# Altium PCB 主板PCB.PcbDoc
Units mil, origin at the board's own origin, x right, y up, seen from the top; angles counter-clockwise.
Board outline 3875 x 2950 mil, 2 copper layers (Top Layer, Bottom Layer); 32 components, 45 nets, 162 pads, 0 vias.
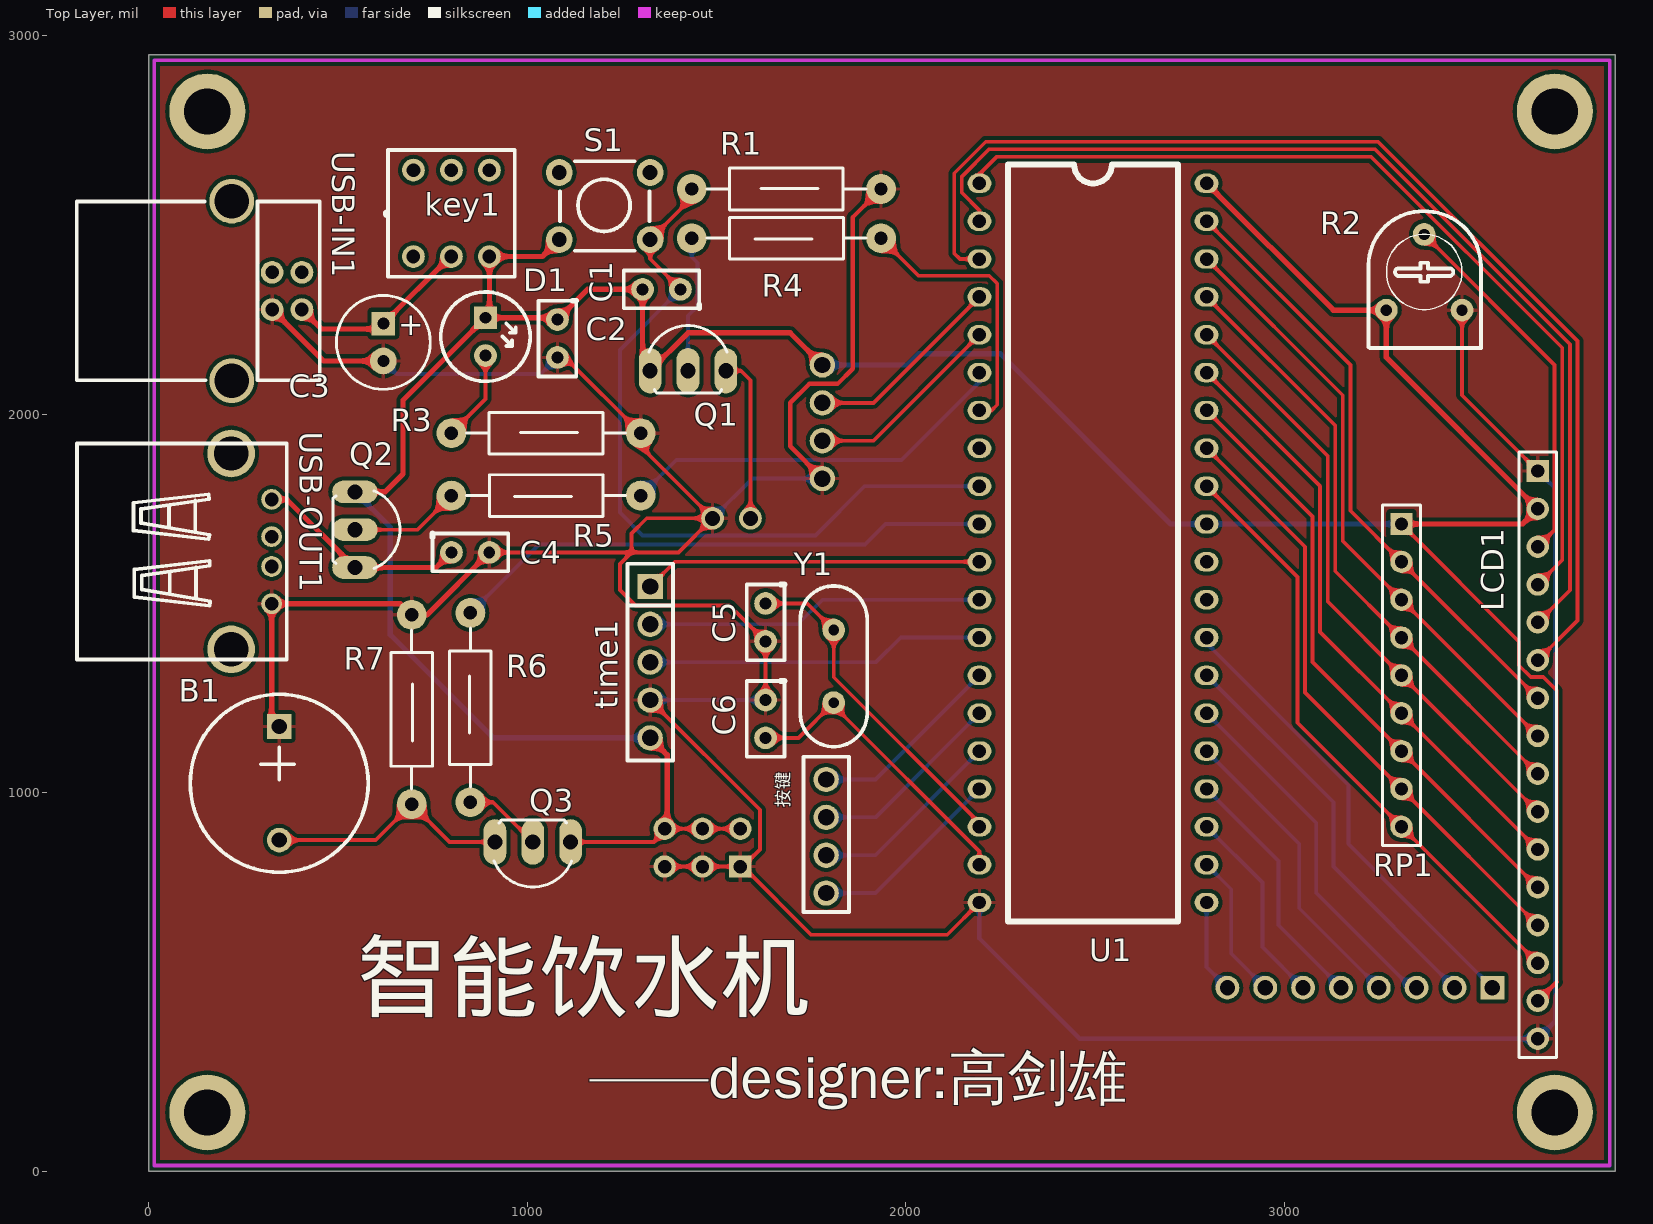
[diagram p0: Top Layer view]
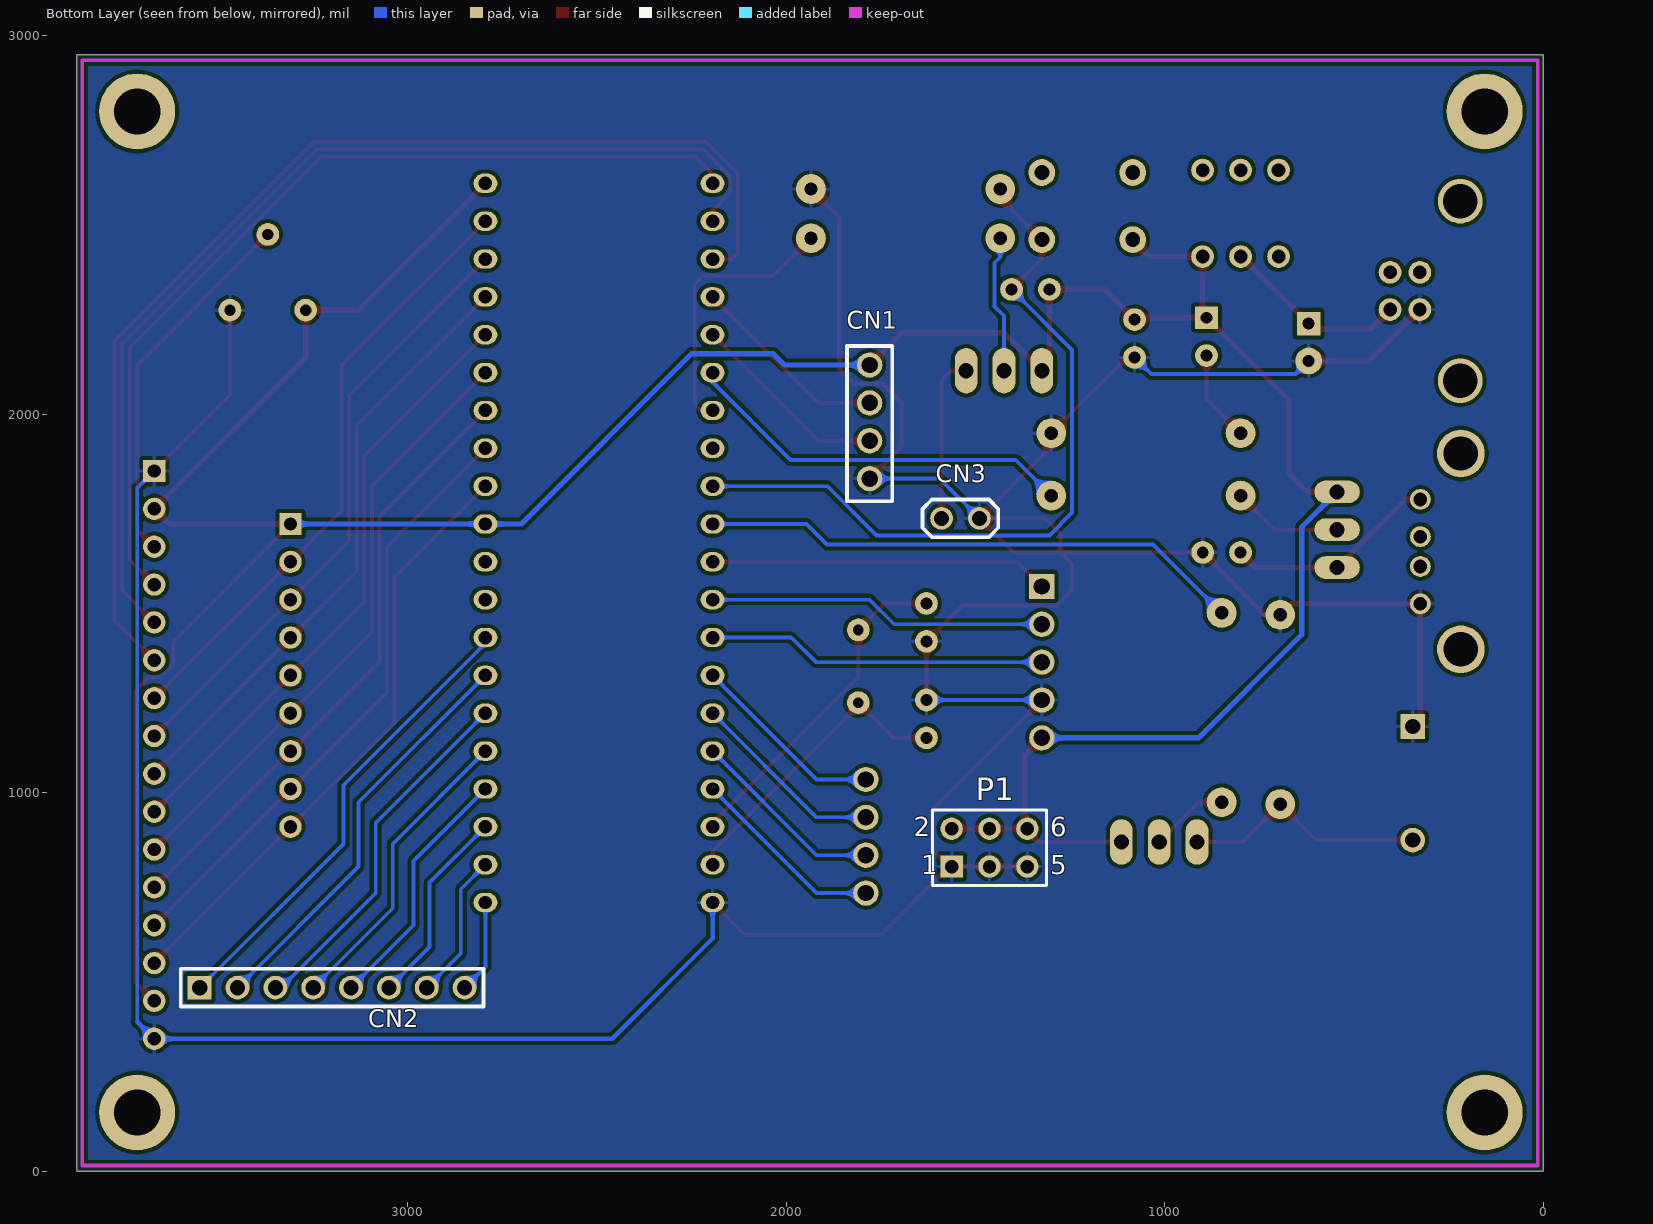
[diagram p1: Bottom Layer view, seen from below]

## Layer stack, top to bottom
Top Solder: solder mask 0.4, Solder Resist, Dk 3.5
Top Layer: signal copper 1.4
Dielectric 1: dielectric 12.6, FR-4, Dk 4.8
Bottom Layer: signal copper 1.4
Bottom Solder: solder mask 0.4, Solder Resist, Dk 3.5

## Board outline
0,0 3875,0 3875,2950 0,2950

## Design rules (kind name [scope] priority, off if disabled: settings)
Clearance [All] p1: gap=10 ignorepadtopadclearanceinfootprint=FALSE except(0: Arc-Hole Track-Hole SMDPad-Hole THPad-Hole Via-Hole Fill-Hole Poly-Hole Region-Hole Text-Hole)
PolygonConnect [All] p1: connectstyle=Relief reliefconductorwidth=10 reliefentries=4 polygonreliefangle="90 Angle" airgapwidth=10
RoutingVias [All] p1: holewidth=28 width=50 viastyle="Through Hole" minholewidth=28 minwidth=50 maxholewidth=28 maxwidth=50
SolderMaskExpansion [All] p1: expansion=4
Width Width_1 [All] p1: maxlimit=20 minlimit=10 preferedwidth=10 minimp=50.000000 maximp=50.000000 favimp=50.000000
Width [InNet('VCC')] p2: maxlimit=20 minlimit=14 preferedwidth=14 minimp=50.000000 maximp=50.000000 favimp=50.000000
30 further rules are at their usual default settings.

## Components (designator, comment, footprint, x,y, rotation, side; value= is the part's Value field where it differs from the comment)
B1 "BUZZ" BUZZER 345,1175 r270 top
C1 "CAP" RAD-0.1 1305,2330 r0 top
C2 "104" RAD-0.1 1080,2150 r90 top
C3 "Cap Pol" CAPPR2.5-6.3X11.5 620,2190 r270 top value=220uF
C4 "104" RAD-0.1 900,1635 r180 top
C5 "Cap" RAD-0.1 1630,1400 r90 top
C6 "Cap" RAD-0.1 1630,1145 r90 top value=20pF
CN1 "CN4" CN4 1865,1930 r270 bottom
CN2 "CN8" CN8 3200,485 r0 bottom
CN3 "CN2" CN2 1540,1725 r180 bottom
D1 "LED1" LED1 890,2255 r270 top
key1 "SW-KEY" SW1-key 630,2360 r0 top
LCD1 "LCD1602" HDR1X16 3670,1850 r270 top
P1 "Header 3X2" HDR2X3 1563.32,805 r180 bottom
Q1 "S9012" TO-92A 1425,2135 r0 top
Q2 "S9012" TO-92A 565,1695 r270 top
Q3 "PNP" TO-92A 1015,850 r180 top
R1 "Res1" AXIAL-0.5 1935,2595 r180 top value=1k
R2 "RP2" "POT SMALL" 3370,2475 r90 top
R3 "Res1" AXIAL-0.5 1300,1950 r180 top value=1k
R4 "Res1" AXIAL-0.5 1435,2465 r0 top value=1k
R5 "Res1" AXIAL-0.5 800,1785 r0 top
R6 "Res1" AXIAL-0.5 850,1475 r270 top
R7 "Res1" AXIAL-0.5 695,970 r90 top value=1k
RP1 "Header 9" HDR1X9 3310,1710 r270 top
S1 "SW-PB" SW-TH_4PIN-L6.00-W6.00 1205,2550 r180 top
time1 "CN5" CN5 1325,1345 r270 top
U1 "STC89C52_DIP" DIP-40 2195,2610 r270 top
USB-IN1 "USB-O" USB-B-TH_4PIN-H-FEMALE-PITCH2.50-TR_U241-041N-1WR85-5 312.28,2325.79 r270 top
USB-OUT1 "USB-O" USB-O -189,1924.19 r270 top
Y1 "XTAL" XTAL-49/U_N 1810,1238 r90 top
按键 "CN4" CN4 1875,935 r90 top

## Footprints (in the part's own frame and the unit in brackets; to place one, negate y for a bottom-side part, rotate by r counter-clockwise, add the part's x,y. Pads: shape width x height; smd on the part's side, far side on the other; paste and mask are expansions set on the pad)
AXIAL-0.5 [mm]
  round 2 hole 0.9: 1(0,0) 2(12.7,0)
  silkscreen extent 1.02,-1.4 11.68,1.4, body extent -0.25,-1.5 12.95,1.5, height 2.75
BUZZER [mil]
  rect 65x65 hole 40: 1(0,0)
  round 65 hole 40: 2(300,0)
  silkscreen extent -85,-235 385,235
CAPPR2.5-6.3X11.5 [mm]
  rect 1.6x1.6 hole 0.8: 1(-1.25,0)
  round 1.8 hole 0.8: 2(1.25,0)
  silkscreen extent -3.15,-3.15 3.15,3.15, body extent -3.15,-3.14 3.15,3.15, height 11.5
CN2 [mil]
  round 60 hole 39.37: 1(-50,0) 2(50,0)
  silkscreen extent -100,-50 100,50
CN4 [mm]
  round 1.7 hole 1.1: 1(-5.08,2.159) 2(-2.54,2.159) 3(0,2.159) 4(2.54,2.159)
  silkscreen extent -6.35,0.63 4.06,3.68
CN5 [mm]
  rect 1.7x1.7 hole 1.1: 1(-5.08,0)
  round 1.7 hole 1.1: 2(-2.54,0) 3(0,0) 4(2.54,0) 5(5.08,0)
  silkscreen extent -6.6,-1.52 6.6,1.52
CN8 [mm]
  rect 1.6x1.6 hole 1.02: 1(8.89,0)
  round 1.6 hole 1.02: 2(6.35,0) 3(3.81,0) 4(1.27,0) 5(-1.27,0) 6(-3.81,0) 7(-6.35,0) 8(-8.89,0)
  silkscreen extent -10.16,-1.27 10.16,1.27
DIP-40 [mm] "40脚直插芯片 间距2.54mm 600mil"
  oval 1.3x1.6 hole 0.9: 1(0,0) 2(2.54,0) 3(5.08,0) 4(7.62,0) 5(10.16,0) 6(12.7,0) 7(15.24,0) 8(17.78,0) 9(20.32,0) 10(22.86,0) 11(25.4,0) 12(27.94,0) 13(30.48,0) 14(33.02,0) 15(35.56,0) 16(38.1,0) 17(40.64,0) 18(43.18,0) 19(45.72,0) 20(48.26,0) 21(48.26,15.24) 22(45.72,15.24) 23(43.18,15.24) 24(40.64,15.24) 25(38.1,15.24) 26(35.56,15.24) 27(33.02,15.24) 28(30.48,15.24) 29(27.94,15.24) 30(25.4,15.24) 31(22.86,15.24) 32(20.32,15.24) 33(17.78,15.24) 34(15.24,15.24) 35(12.7,15.24) 36(10.16,15.24) 37(7.62,15.24) 38(5.08,15.24) 39(2.54,15.24) 40(0,15.24)
  silkscreen extent -1.27,1.9 49.53,13.34, body extent -1.22,-1.18 49.48,16.42, height 8.5
HDR1X9 [mm] "Connector; Header; 9 Position"
  rect 1.5x1.5 hole 0.9: 1(0,0)
  round 1.5 hole 0.9: 2(2.54,0) 3(5.08,0) 4(7.62,0) 5(10.16,0) 6(12.7,0) 7(15.24,0) 8(17.78,0) 9(20.32,0)
  silkscreen extent -1.27,-1.27 21.59,1.27
HDR1X16 [mm] "Connector; Header; 16 Position"
  rect 1.5x1.5 hole 0.9: 1(0,0)
  round 1.5 hole 0.9: 2(2.54,0) 3(5.08,0) 4(7.62,0) 5(10.16,0) 6(12.7,0) 7(15.24,0) 8(17.78,0) 9(20.32,0) 10(22.86,0) 11(25.4,0) 12(27.94,0) 13(30.48,0) 14(33.02,0) 15(35.56,0) 16(38.1,0)
  silkscreen extent -1.27,-1.27 39.37,1.27
HDR2X3 [mm] "Connector; Header; 3x2 Position"
  rect 1.5x1.5 hole 0.9: 1(0,0)
  round 1.5 hole 0.9: 2(0,2.54) 3(2.54,0) 4(2.54,2.54) 5(5.08,0) 6(5.08,2.54)
  silkscreen extent -1.27,-1.27 6.35,3.81
LED1 [mil]
  rect 60x60 hole 31.5: 1(0,0)
  round 60 hole 31.5: 2(100,0)
  silkscreen extent -68,-118 168,118
"POT SMALL" [mil]
  round 60 hole 30: 1(0,0) 2(-200,-100) 3(-200,100)
  silkscreen extent -300,-150 61,147, body extent -311,-150 65,150, height 315
RAD-0.1 [mil]
  round 60 hole 31.5: 1(0,0) 2(100,0)
  silkscreen extent -50,-50 150,50
SW1-key [mil]
  round 60 hole 36: 1(69.6,56.66) 2(170,56.66) 3(270.4,56.66) 4(69.63,285) 5(170,285) 6(270.39,285)
  silkscreen extent -6,4 337,338
SW-TH_4PIN-L6.00-W6.00 [mm]
  round 1.8 hole 1: 1(-3.05,2.25) 2(3.05,2.25) 3(-3.05,-2.25) 4(3.05,-2.25)
  silkscreen extent -3,-3 3,3
TO-92A [mil]
  oval 60x120 hole 40: B(0,-20) C(100,-20) E(-100,-20)
  silkscreen extent -103,-78 103,99
USB-B-TH_4PIN-H-FEMALE-PITCH2.50-TR_U241-041N-1WR85-5 [mil]
  round 60 hole 36: 1(49.22,92.72) 2(-49.21,92.72) 3(-49.21,13.98) 4(49.22,13.98)
  round 118.11 hole 90.55: 5(-237.2,-92.71) 5(237.21,-92.71)
  silkscreen extent -236,-502 236,140
USB-O [mm]
  round 3.2 hole 2.3: 0(0.711,10.338) 0(13.853,10.338)
  round 1.4 hole 0.92: 1(3.789,13.056) 2(6.289,13.056) 3(8.29,13.056) 4(10.79,13.056)
  silkscreen extent 0.03,0 14.54,14.06
XTAL-49/U_N [mil] "高型晶振（未加焊）"
  round 60 hole 28: 1(0,0) 2(192,0)
  silkscreen extent -116,-88 308,89, body extent -117,-88 309,89, height 512

## Part data
C1: "无极性"
C2 C4: library part CAP, "电容"
C3: "Polarized Capacitor (Radial)", Voltage=16V, Published=8-Jun-2000, Publisher="Altium Limited", Revision="July-2002: Re-released for DXP Platform."
C5 C6: "Capacitor"
  C6: LatestRevisionDate=17-Jul-2002, LatestRevisionNote="Re-released for DXP Platform.", PackageDescription="Radial Cap, Thru-Hole; 2 Leads; 0.3 in Pin Spacing", PackageReference=RAD-0.3, Published=8-Jun-2000, Publisher="Altium Limited"
D1: "3mm"
P1: "Header, 3-Pin, Dual row"
Q1 Q2: "PNP 三极管"
Q3: "8550 9012"
R1 R3 R4 R5 R6 R7: "Resistor"
  R1 R3 R4 R7: LatestRevisionDate=17-Jul-2002, LatestRevisionNote="Re-released for DXP Platform.", PackageDescription="Axial Device, Thru-Hole; 2 Leads; 0.3 in Pin Spacing", PackageReference=AXIAL-0.3, Published=8-Jun-2000, Publisher="Altium Limited"
R2: library part "RPot SM", "Square Trimming Potentiometer"
RP1: "Header, 9-Pin", LatestRevisionDate=17-Jul-2002, LatestRevisionNote="Re-released for DXP Platform.", Publisher="Altium Limited"
S1: "Switch"
Y1: "Crystal Oscillator"

## Free pads (board coordinates)
  round 200.79 hole 122.05: 2(3715,2800) 3(3715,155.32) 4(155,2800) 5(155,155.32)

## Nets (pads, with @x,y where several pads share a name; then routed paths per layer and width w, separated by ;. In a path a pad name is that pad's centre, name@x,y a point inside that pad or via, vN(x,y) a via of type N, cw(c..) or ccw(c..) an arc to the next point about the centre after c; other vN are vias at no path point)
BEE: R6.1 U1.10 | length 1442.3
  Bottom Layer w10: R6.1 1031,1656 1893,1656 1947,1710 U1.10
Echo: CN1.3 U1.5 | length 531
  Top Layer w10: CN1.3 1915,1930 U1.5
GND: B1.1 C2.1 C3.2 C4.1 C5.1 C6.2 CN1.4 CN3.2 LCD1.1 LCD1.16 P1.1 P1.3 P1.5 R1.1 R2.2 R3.1 R7.2 time1.4 U1.20 USB-IN1.4 USB-OUT1.4 | length 10873.9
  Top Layer w10: B1.1@325,1195 B1.1 ; 665.6,1499.4 R7.2 735,1470 ; C4.1 1276,1635 ; C2.1 1100,2150 R3.1 1300,1915 CN3.2 ; time1.4 1615,955 1615,850 P1.1@1570,805 ; P1.5@1370,805 P1.3 P1.1 P1.1@1570,805 ; C6.2 C5.1 1535,1495 1286,1495 1245,1536 1245,1604 1276,1635 ; 1860,2520 R1.1 ; U1.20 2110,625 1750,625 P1.1@1570,805 ; R2.2 3470,2050 LCD1.1 ; 1276,1635 1276,1685 1316,1725 CN3.2 ; 1276,1635 1400,1635 CN3.2
  Top Layer w12: CN1.4 1695,1915 1695,2030 1745,2080 1820,2080 1860,2120 1860,2520
  Top Layer w14: B1.1@325,1195 USB-OUT1.4 665.6,1499.4 ; USB-IN1.4 462.04,2140.79 C3.2 ; 735,1470 C4.1
  Bottom Layer w10: C3.2 654.79,2106 1036,2106 C2.1 ; time1.4 C6.2 ; CN3.2 1595,1830 CN1.4 ; LCD1.1 3715,1805 3715,395
  Bottom Layer w12: U1.20 2195,615 2460,350 LCD1.16 3715,395
I/O: time1.2 U1.12 | length 896.9
  Bottom Layer w10: time1.2 1715,1445 1780,1510 U1.12
MA: R5.2 U1.6 | length 1044.3
  Bottom Layer w10: R5.2 1394,1879 1989,1879 2195,2085 U1.6
NetB1_2: B1.2 Q3.C R7.1 | length 650.8
  Top Layer w10: B1.2 600,875 R7.1 795,870 Q3.C
NetC4_2: C4.2 Q2.C USB-OUT1.1 | length 566.1
  Top Layer w14: USB-OUT1.1 365,1775 Q2.C 760,1595 C4.2
NetC5_2: C5.2 U1.18 Y1.2 | length 888.5
  Top Layer w10: C5.2 1740,1500 Y1.2 1810,1305 2195,920 U1.18
NetC6_1: C6.1 U1.19 Y1.1 | length 806
  Top Layer w10: C6.1 1717,1145 Y1.1 1810,1230 2195,845 U1.19
NetCN2_1: CN2.1 U1.28 | length 1237.7
  Bottom Layer w10: U1.28 2795,1395 3170,1020 3170,865 CN2.1
NetCN2_2: CN2.2 U1.27 | length 1096.3
  Bottom Layer w10: U1.27 3130,975 3130,805 CN2.2
NetCN2_3: CN2.3 U1.26 | length 963.7
  Bottom Layer w10: U1.26 3085,920 3085,735 3335,485 CN2.3
NetCN2_4: CN2.4 U1.25 | length 813.5
  Bottom Layer w10: U1.25 3040,865 3040,695 CN2.4
NetCN2_5: CN2.5 U1.24 | length 672
  Bottom Layer w10: U1.24 2985,820 2985,650 CN2.5
NetCN2_6: CN2.6 U1.23 | length 530.6
  Bottom Layer w10: U1.23 2942.5,762.5 2942.5,592.5 CN2.6
NetCN2_7: CN2.7 U1.22 | length 389.2
  Bottom Layer w10: U1.22 2860,745 2860,575 CN2.7
NetCN2_8: CN2.8 U1.21 | length 247.8
  Bottom Layer w10: U1.21 2795,540 CN2.8
NetCN3_1: CN3.1 Q1.C | length 440.4
  Top Layer w10: Q1.C 1565,2115 1590,2090 CN3.1
NetD1_2: D1.2 R3.2 | length 242.3
  Top Layer w10: R3.2 890,2040 D1.2
NetLCD1_3: LCD1.3 R2.1 | length 986.2
  Top Layer w10: R2.1 3714.53,2130.47 3714.53,1694.53 LCD1.3
NetLCD1_4: LCD1.4 U1.1 | length 2444.4
  Top Layer w10: U1.1 2195,2635 2240,2680 3230,2680 3734.53,2175.47 3734.53,1614.53 LCD1.4
NetLCD1_5: LCD1.5 U1.2 | length 2757.4
  Top Layer w10: U1.2 2195,2538.5 2148.5,2585 2148.5,2628.5 2220,2700 3240,2700 3755,2185 3755,1535 LCD1.5
NetLCD1_6: LCD1.6 U1.3 | length 3070.4
  Top Layer w10: U1.3 2143.5,2410 2128.5,2425 2128.5,2636.79 2211.72,2720 3248.28,2720 3775,2193.28 3775,1455 LCD1.6
NetLCD1_7: LCD1.7 RP1.2 U1.39 | length 1622.4
  Top Layer w10: U1.39 3175,2130 3175,1745 RP1.2 LCD1.7
NetLCD1_8: LCD1.8 RP1.3 U1.38 | length 1622.4
  Top Layer w10: U1.38 3155,2050 3155,1665 RP1.3 LCD1.8
NetLCD1_9: LCD1.9 RP1.4 U1.37 | length 1622.4
  Top Layer w10: U1.37 3135,1970 3135,1585 RP1.4 LCD1.9
NetLCD1_10: LCD1.10 RP1.5 U1.36 | length 1622.4
  Top Layer w10: U1.36 3115,1890 3115,1505 RP1.5 LCD1.10
NetLCD1_11: LCD1.11 RP1.6 U1.35 | length 1622.4
  Top Layer w10: U1.35 3095,1810 3095,1425 RP1.6 LCD1.11
NetLCD1_12: LCD1.12 RP1.7 U1.34 | length 1622.4
  Top Layer w10: U1.34 3075,1730 3075,1345 RP1.7 LCD1.12
NetLCD1_13: LCD1.13 RP1.8 U1.33 | length 1622.4
  Top Layer w10: U1.33 3055,1650 3055,1265 RP1.8 LCD1.13
NetLCD1_14: LCD1.14 RP1.9 U1.32 | length 1622.4
  Top Layer w10: U1.32 3035,1570 3035,1185 RP1.9 LCD1.14
NetQ1_B: Q1.B R4.1 | length 366.6
  Bottom Layer w10: Q1.B 1425,2260 1450,2285 1450,2400 1435,2415 R4.1
NetQ2_B: Q2.B R5.1 | length 292.3
  Top Layer w10: Q2.B 710,1695 R5.1
NetQ3_B: Q3.B R6.2 | length 208.5
  Top Layer w10: R6.2 910,975 Q3.B
NetR4_2: R4.2 U1.7 | length 729.9
  Top Layer w10: R4.2 2034,2366 2221,2366 2242,2345 2242,2025 2227,2010 U1.7
NetU1_14: U1.14 按键.4 | length 518.9
  Bottom Layer w10: 按键.4 1920,1035 U1.14
NetU1_15: U1.15 按键.3 | length 518.9
  Bottom Layer w10: 按键.3 1920,935 U1.15
NetU1_16: U1.16 按键.2 | length 518.9
  Bottom Layer w10: 按键.2 1920,835 U1.16
NetU1_17: U1.17 按键.1 | length 518.9
  Bottom Layer w10: 按键.1 1920,735 U1.17
RS: time1.1 U1.11 | length 896.9
  Top Layer w10: time1.1 1390,1610 U1.11
RST: C1.2 R1.2 S1.1 U1.9 | length 2028.6
  Top Layer w10: C1.2 1325.08,2409.92 S1.1 1435,2571.34 R1.2
  Bottom Layer w10: C1.2 1245,2170 1245,1740 1305,1680 1762,1680 1892,1810 U1.9
SCLK: time1.3 U1.13 | length 896.9
  Bottom Layer w10: time1.3 1922,1345 1987,1410 U1.13
Tring: CN1.2 U1.4 | length 531
  Top Layer w10: CN1.2 1915,2030 U1.4
VCC: C1.1 C2.2 CN1.1 D1.1 key1.3 LCD1.2 LCD1.15 P1.2 P1.4 P1.6 Q1.E Q2.E Q3.E R2.3 RP1.1 S1.2 time1.5 U1.31 U1.40 | length 9047.3
  Top Layer w10: D1.1 D1.1@900.4,2265.4 ; C2.2@1075,2255 C2.2 ; Q3.E 1335,870 1370,905 P1.4 P1.2 P1.2@1570,905 ; Q1.E@1305,2135 Q1.E ; RP1.1 3620,1400 3620,1337.03 3651.56,1305.47 3684.53,1305.47 3720,1270 3720,500
  Top Layer w12: LCD1.15 3720,500
  Top Layer w14: Q2.E 625,1795 672,1842 672,2037 D1.1 C2.2@1075,2255 ; D1.1@900.4,2265.4 key1.3 1040.16,2416.66 S1.2 ; C2.2 1160,2330 C1.1 Q1.E@1305,2135 ; time1.5 1370,1100 P1.6@1370,905 ; Q1.E 1425,2215 1695,2215 CN1.1 ; U1.40 3130,2275 R2.3 3270,2150 LCD1.2 3630,1710 RP1.1
  Bottom Layer w14: Q2.E 638.63,1701.37 638.63,1417.37 911,1145 time1.5 ; CN1.1 2005,2130 2035,2160 2250,2160 2700,1710 U1.31 RP1.1
VDD: C3.1 key1.2 USB-IN1.1 | length 495.7
  Top Layer w14: USB-IN1.1 456.57,2225 605.79,2225 C3.1 797.45,2416.66 key1.2
pads on no net: key1.1 key1.4 key1.5 key1.6 S1.3 S1.4 U1.8 U1.29 U1.30 USB-IN1.2 USB-IN1.3 USB-IN1.5 USB-OUT1.0 USB-OUT1.2 USB-OUT1.3

## Polygon pours and split planes (outlines as drawn)
GND on Bottom Layer "Bottom Layer-No Net" (solid, remove dead copper, pour order 4): 3875,0 3875,2950 0,2950 0,0
GND on Top Layer "Top Layer-No Net" (solid, remove dead copper, pour order 6): 3875,0 0,0 0,2950 3875,2950

## Keep-outs
Keep-Out Layer:
  lines w10: 15,15 15,2935 3860,2935 3860,15 15,15

## Silkscreen, mask and mechanical layers (free items; w line width, h text height)
Top Overlay:
  text "智能饮水机" at 550,370 h300
  text "——designer:高剑雄" at 1165,155 h196.85
Mechanical 1:
  the board outline again, w10

## Dimensions
0,2950 to 3875,2950 on Keep-Out Layer
0,2950 to 0,0 on Keep-Out Layer

## Text inside footprints (layer, text, board x,y; h text height)
C3: Top Overlay "+" at 660,2209.21 h59.06
P1: Bottom Overlay "1" at 1643.32,785 h50; Bottom Overlay "2" at 1663.32,885 h50; Bottom Overlay "5" at 1303.32,785 h50; Bottom Overlay "6" at 1303.32,885 h50